# Altium PCB GN-1846-E-V2.PcbDoc (part 7 of 8)
Units mil, origin at the board's own origin, x right, y up, seen from the top; angles counter-clockwise.
Board outline 3750.16 x 2671.81 mil, 4 copper layers (TOP, GND, POWER, BOTTOM), stack 40.359 mil thick; 456 components, 457 nets, 2346 pads, 1495 vias.
Unrouted connection lines stored in the file: 4.
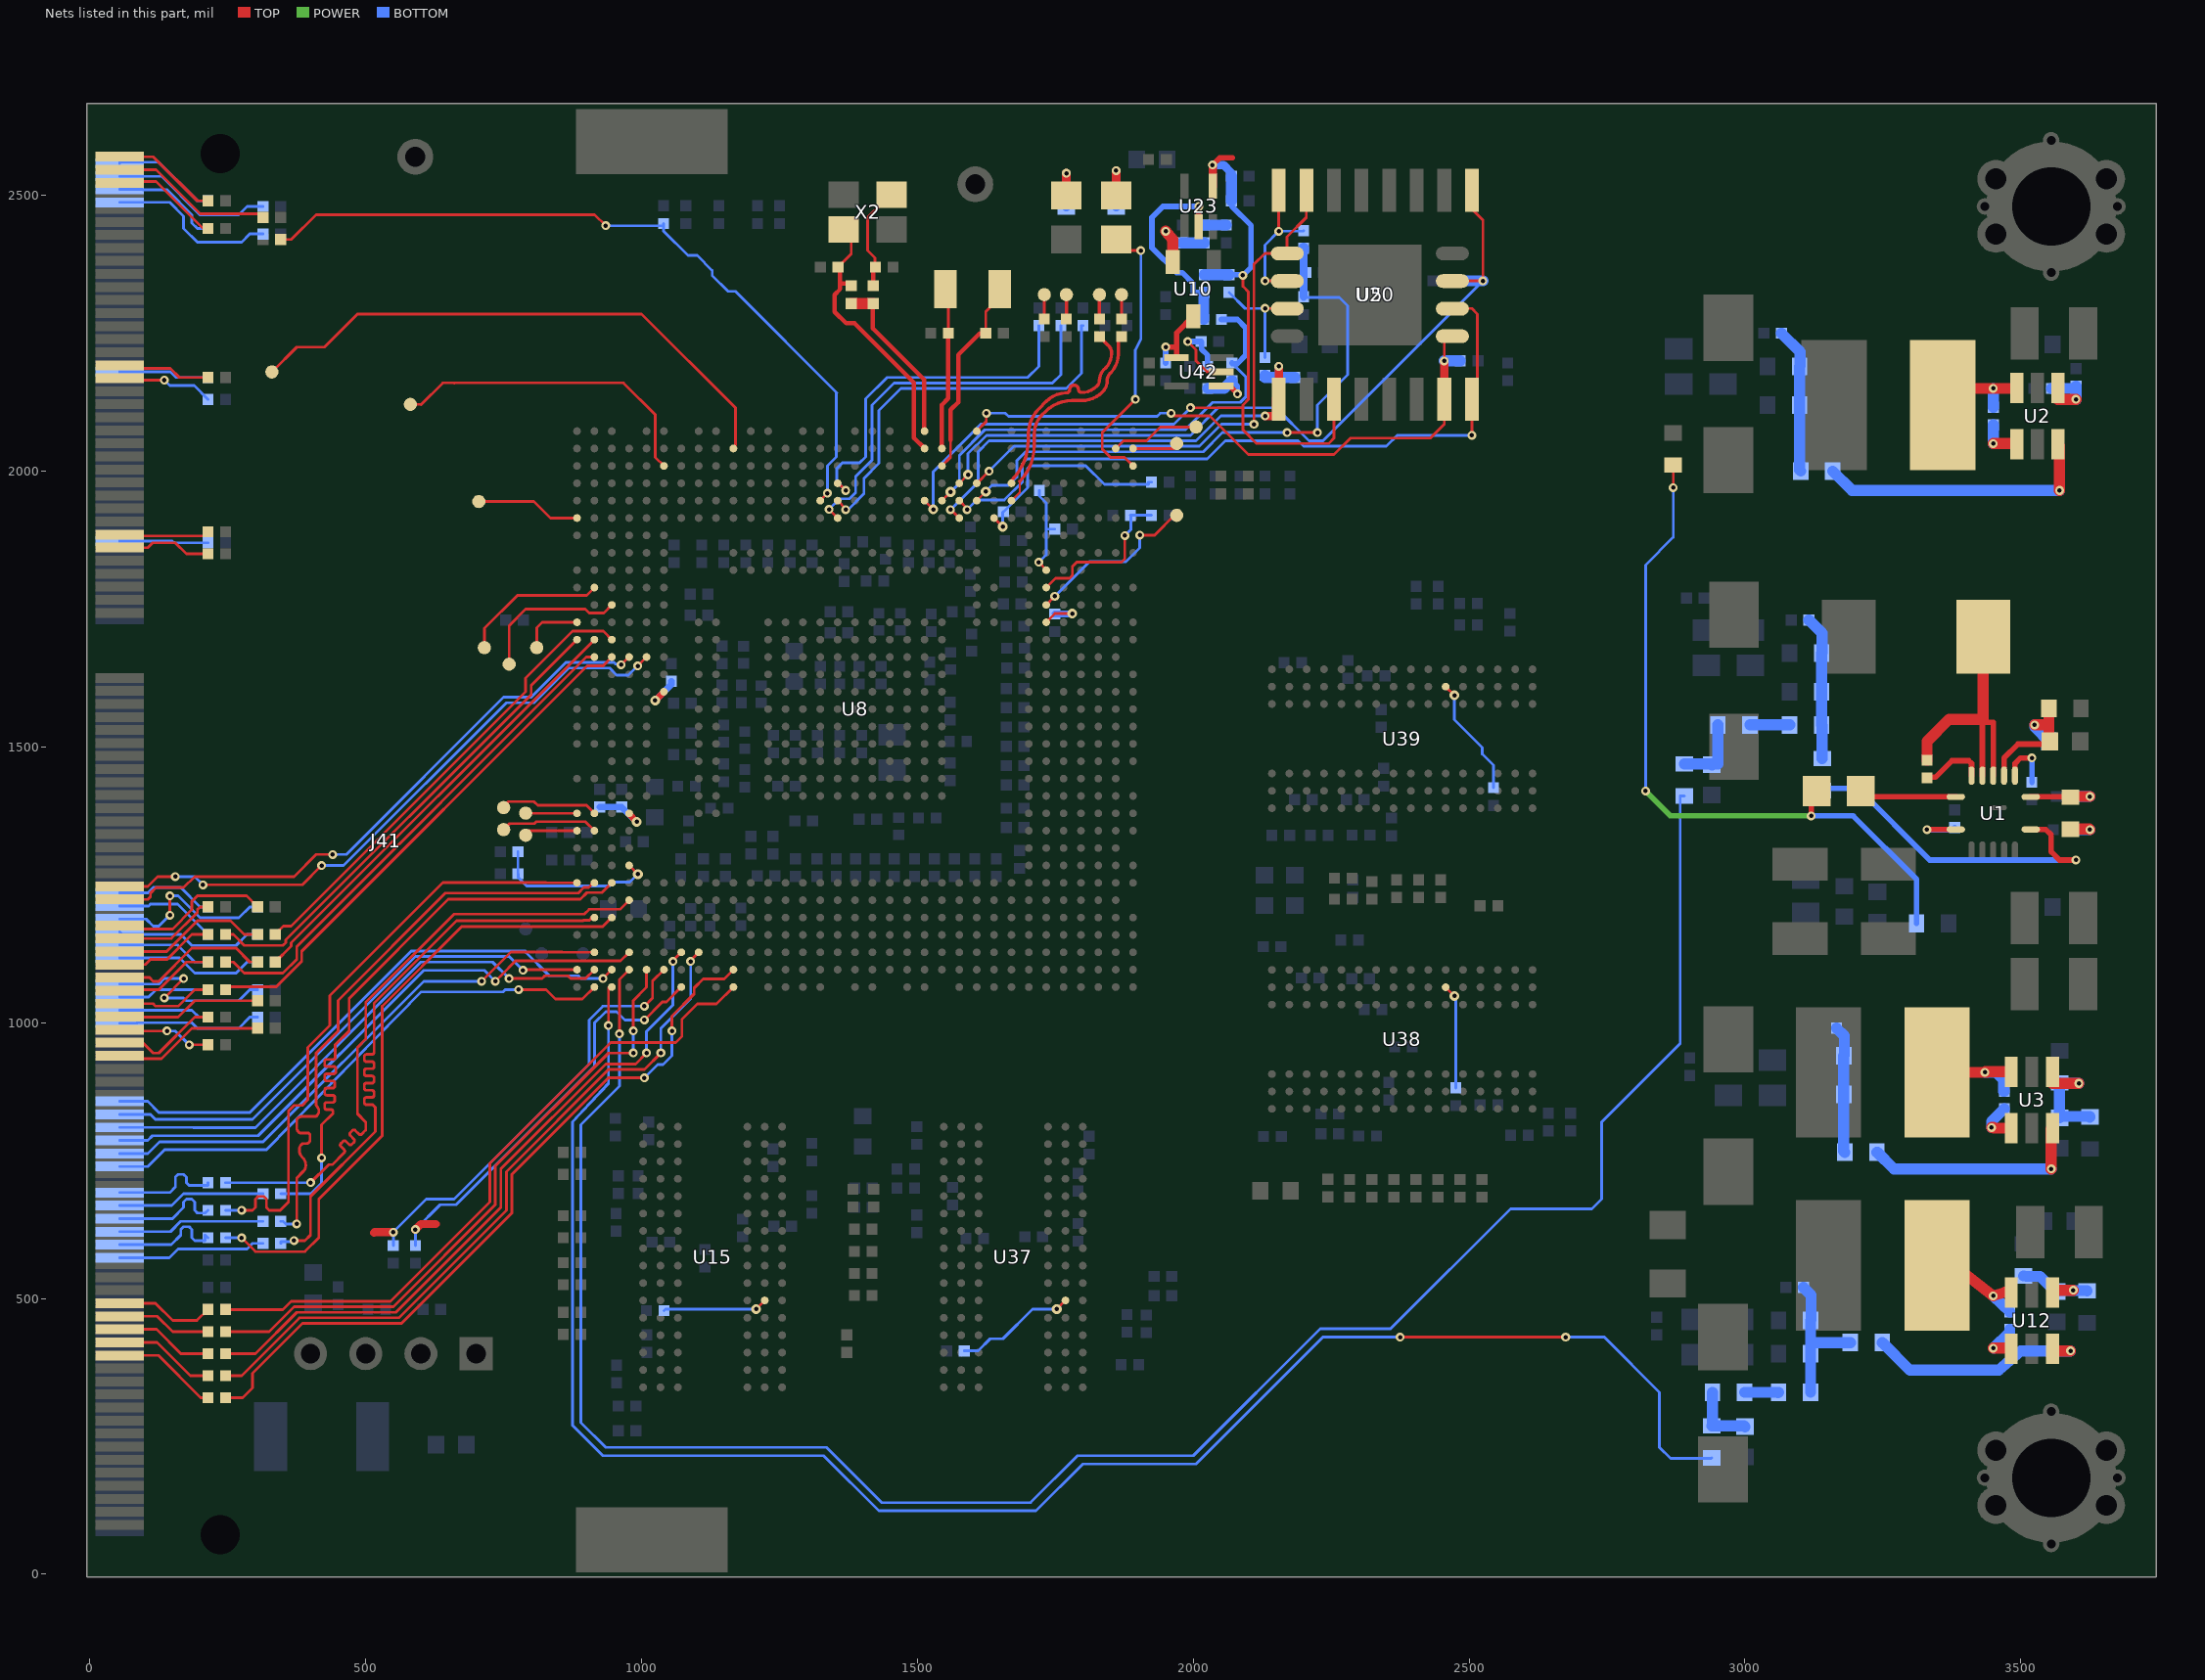
[diagram p9: the nets of this part, all layers, seen from the top]

## Via types
v1: diameter 18, hole 8, TOP to BOTTOM, 763 vias
v2: diameter 20, hole 10, TOP to BOTTOM, 451 vias
v3: diameter 16, hole 8, TOP to BOTTOM, 281 vias

## Nets (pads, with @x,y where several pads share a name; then routed paths per layer and width w, separated by ;. In a path a pad name is that pad's centre, name@x,y a point inside that pad or via, vN(x,y) a via of type N, cw(c..) or ccw(c..) an arc to the next point about the centre after c; other vN are vias at no path point) (continued)
NetC12_1: C12.1 R296.1 R695.2 | length 134.1
  BOTTOM w20: R296.1@2890,1469 C12.1@2938.5,1469 ; C12.1@2940,1467.5 C12.1@2938.5,1469 ; R695.2@2951,1540 2951,1469 C12.1@2938.5,1469
NetC17_2: C17.2 U8.AF30 | length 387.7
  TOP w6: U8.AF30@1670.41,1978 1670.41,1983 ccw(c1596.56,2056.85) 1701,2056.85 1701,2066.41 cw(c1767.6,2066.41) 1701.01,2067.71 cw(c1767.6,2066.41) 1720.51,2113.51 1733.12,2126.12 cw(c1771.46,2087.79) 1767.88,2141.88 1769.88,2141.88 ccw(c1769.88,2148) 1776,2148 cw(c1784,2148) 1792,2148 ccw(c1797.27,2148) 1797.27,2142.73 1803.46,2142.73 ccw(c1794.89,2185.67) 1825.85,2154.71 ccw(c1815.82,2164.73) 1830,2164.73 cw(c1857.2,2164.73) 1837.97,2183.97 1840.93,2186.93 ccw(c1814.2,2213.66) 1852,2213.66 ccw(c1831.86,2213.66) 1846.1,2227.9 C17.2@1830,2244
NetC18_2: C18.2 U8.AF29 | length 404.5
  TOP w4: U8.AF29@1670.41,1946.5 1685.45,1961.54 1685.45,1981.48
  TOP w6: 1685.46,1981.49 ccw(c1616.77,2047.23) 1711.85,2047.23 1711.88,2067.71 cw(c1760.98,2067.63) 1726.26,2102.35 1731.85,2107.94 cw(c1780.28,2059.5) 1780.28,2128 1797.87,2128 ccw(c1797.87,2181.29) 1835.55,2143.61 ccw(c1815.23,2163.93) 1843.97,2163.93 cw(c1863.63,2163.93) 1849.73,2177.83 1851.95,2180.05 ccw(c1816.69,2211.6) 1864,2211.6 1864,2238 C18.2@1870,2244
NetC27_1: C27.1 U3.1 | length 79.6
  TOP w20: v3(3447,810) 3450,810 3451.18,808.82 U3.1@3482.6,808.82
  BOTTOM w20: v3(3447,810) 3447,821 C27.1@3470,844
NetC27_2: C27.2 L1.1 U3.6 | length 201
  TOP w20: L1.1@3348.43,910 v3(3435,910) ; U3.6@3482.6,911.18 v3@3440,911.18 ; v3(3435,910) 3436.18,911.18 v3@3440,911.18 ; v3(3435,910) 3438.82,910 v3@3440,911.18
  BOTTOM w20: v3(3435,910) 3455,910 3469,896 3469,876 C27.2@3470,876
NetC28_1: C28.1 U2.1 | length 77.1
  TOP w20: v3(3450,2050) 3491.42,2050 U2.1@3492.6,2048.82
  BOTTOM w20: v3(3450,2050) C28.1@3450,2084
NetC28_2: C28.2 L3.1 U2.6 | length 181.1
  TOP w20: L3.1@3358.43,2120 3363.43,2125 3380,2125 3405,2150 v3(3450,2150) 3491.42,2150 U2.6@3492.6,2151.18
  BOTTOM w20: C28.2@3450,2116 v3(3450,2150)
NetC33_1: C33.1 U12.1 | length 79.9
  TOP w20: v3(3450,410) 3481.42,410 U12.1@3482.6,408.82
  BOTTOM w16: v3(3450,410) v3@3451.1,410.33
  BOTTOM w20: v3@3451.1,410.33 3480,439.23 C33.1@3480,444
NetC33_2: C33.2 L4.1 U12.6 | length 195.8
  TOP w20: L4.1@3348.43,560 3380,560 v3(3450,505) 3471.18,511.18 U12.6@3482.6,511.18
  BOTTOM w20: v3(3450,505) 3466,490 C33.2@3480,476
NetC35_1: C35.1 R13.2 R387.2 U12.4 | length 166.9
  TOP w20: U12.4@3557.4,511.18 3561.22,515 v3(3595,515)
  BOTTOM w20: R387.2@3505,541 3510,540 3534.96,540 3560,514.97 C35.1@3565,512.5 3574.01,514.49 3595,514.27 v3(3595,515) 3595.05,514.26 R13.2@3620,514
NetC78_1: C78.1 R230.2 R297.1 | length 122
  BOTTOM w20: R230.2@2941,330 2941,270 R297.1@2940,269 2998.5,269 C78.1@3000,267.5
NetC207_1: C207.1 R84.2 U8.AE28 | length 391.1
  TOP w5: U8.AE28@1638.92,1915.01 v1(1654.68,1899.25)
  BOTTOM w5: v1(1654.68,1899.25) 1654.68,1924.98 C207.1@1656,1926.3 1699.7,1970 1699.7,2005 1704.7,2010 1805,2010 1839,1976 1919,1976 1919,1980 R84.2@1924,1980
NetC233_1: C233.1 U1.13 | length 117.6
  TOP w10: C233.1@3330,1444 3331,1445 3345,1445 3375,1475 3405.63,1475 3410.63,1470 U1.13@3410.63,1447.91
NetC233_2: C233.2 L2.1 U1.11 U1.12 | length 526.7
  TOP w10: U1.12@3430.32,1447.91 3430.32,1544.85 ; 3431.83,1555 3430.32,1553.49 3430.32,1550 3430.32,1544.85 ; U1.11@3450,1447.91 3450,1544.85 3430.32,1544.85
  TOP w20: C233.2@3330,1476 3330,1510 3370,1550 3430.32,1550 3431.83,1550 3431.83,1555 L2.1@3431.83,1700
NetC275_1: C275.1 R11.2 R260.2 U3.4 | length 223.7
  TOP w20: U3.4@3557.4,911.18 3557.4,890 v3(3605,890)
  BOTTOM w20: C275.1@3570,827.5 C275.1@3570,830 ; v3(3605,890) 3571,890 R260.2@3570,891 C275.1@3570,830 ; R11.2@3625,829 3625,830 C275.1@3570,830
NetC276_1: C276.1 R386.1 R701.1 U1.10 | length 254.5
  TOP w10: U1.10@3469.68,1447.91 3469.68,1480 3494.68,1505 3545,1505 3550,1510 C276.1@3552.5,1510
  TOP w20: v3(3525,1540) 3551,1540 ; C276.1@3550,1510 3551,1511 3551,1540 ; R386.1@3551,1570 3551,1540
  BOTTOM w20: v3(3525,1540) 3525,1536 R701.1@3551,1510
NetC287_1: C287.1 R3.2 R24.1 R370.1 | length 265.3
  BOTTOM w20: C287.1@3066,2250 3100,2216 3100,2191 R370.1@3099,2190 R24.1@3099,2120 3099,2002.03 R3.2@3101,2000
NetC459_2: C459.2 R397.1 X2.3 | length 201.6
  TOP w5: C459.2@1423,2369 1423,2387 1410,2400 1410,2460 1437,2487 1437,2501.5 X2.3@1453.31,2501.5
  TOP w8: R397.1@1420,2336 1420,2367 1421,2367 1423,2369 C459.2@1424,2370
NetC481_1: C481.1 R258.1 R294.1 R310.2 R373.1 | length 261.8
  BOTTOM w20: C481.1@3116,1730 3140,1706 3140,1671 R258.1@3139,1670 R373.1@3139,1600 R294.1@3139,1540 3140,1539 R310.2@3140,1479
NetC482_1: C482.1 R257.1 R295.1 R311.2 R371.1 | length 268.2
  BOTTOM w20: C482.1@3106,520 3120,506 3120,461 R257.1@3119,460 3119,420 ; R295.1@3119,330 R371.1@3119,400 3119,420 ; R311.2@3191,420 3119,420
NetC485_2: C485.2 R12.2 R206.1 R403.2 | length 232
  BOTTOM w20: C485.2@3166,990 3180,976 3180,941 R12.2@3179,940 R206.1@3179,870 3179,767 R403.2@3181,765
NetC1247_1: C1247.1 R694.2 U42.2 | length 169
  TOP w5: v3(1990,2235) 2005,2220 2005,2200 2025,2180 U42.2@2050.5,2180
  BOTTOM w10: v3(1990,2235) C1247.1@2014,2235 2015,2234 2015,2221 2026,2210 R694.2@2026,2190
NetC1349_1: C1349.1 R700.2 | length 69.4
  TOP w20: R700.2@3590,1351 3624,1351 v3(3625,1350)
  BOTTOM w20: C1349.1@3591,1350 v3(3625,1350)
NetC1350_1: C1350.1 U1.9 | length 100.9
  TOP w10: U1.9@3489.37,1447.91 3489.37,1470 3499.37,1480 v3(3520,1480)
  BOTTOM w10: C1350.1@3520,1436 v3(3520,1480)
NetC1351_1: C1351.1 R700.1 U1.8 | length 137
  TOP w10: U1.8@3517.91,1409.53 3589.47,1409.53 R700.1@3590,1409
  TOP w20: R700.1@3589.47,1409.53 3589.94,1410 v3(3625,1410)
  BOTTOM w20: C1351.1@3596,1410 v3(3625,1410)
NetC1352_1: C1352.1 R261.2 U2.4 | length 123.4
  TOP w20: U2.4@3567.4,2151.18 3567.4,2130 v3(3600,2130)
  BOTTOM w20: R261.2@3556,2150 3596,2150 C1352.1@3600,2154 v3(3600,2130)
NetCORELED1_1: CORELED1.1 R35.2 R43.2 | length 1301.1
  TOP w5: v3(2870,1970) R35.2@2870,2011
  TOP w10: v3(3120,1375) 3120,1415 3125,1420 CORELED1.1@3130,1420
  POWER w10: v3(2820,1420) 2865,1375 v3(3120,1375)
  BOTTOM w5: v3(2820,1420) 2820,1830 2870,1880 v3(2870,1970)
  BOTTOM w10: v3(3120,1375) 3196,1375 3311,1260 R43.2@3311,1180
NetD15_1: D15.1 R26.2 | length 101
  TOP w16: D15.1@1770,2500 v3(1770,2540)
  BOTTOM w16: R26.2@1770,2479 v3(1770,2540)
NetJ41_1: J41.1 R119.2 | length 193.1
  TOP w5: J41.1@54,2570 115,2570 195,2490 R119.2@214,2490
NetJ41_2: J41.2 R60.2 | length 190.8
  BOTTOM w5: J41.2@54,2558.19 54,2560 125,2560 195,2490 R60.2@214,2490
NetJ41_3: J41.3 R128.2 | length 299.5
  TOP w5: J41.3@54,2546.38 120,2546.38 200,2466.38 314,2466.38 R128.2@314,2460
NetJ41_4: J41.4 R132.2 | length 295
  BOTTOM w5: J41.4@54,2534.57 130,2534.57 199.57,2465 270,2465 285,2480 R132.2@314,2480
NetJ41_5: J41.5 R129.2 | length 197.5
  TOP w5: J41.5@54,2522.76 54,2525 120,2525 205,2440 R129.2@214,2440
NetJ41_6: J41.6 R133.2 | length 198.2
  BOTTOM w5: J41.6@54,2510.94 95,2510.94 95.94,2510 140,2510 185,2465 185,2450 195,2440 R133.2@214,2440
NetJ41_8: J41.8 R134.2 | length 309.2
  BOTTOM w5: J41.8@54,2487.32 145,2487.32 170,2462.32 170,2440 195,2415 275,2415 290,2430 R134.2@314,2430
NetJ41_33: J41.33 R61.1 | length 172.6
  TOP w5: J41.33@54,2192.05 54,2186.08 146.08,2186.08 162.17,2170 R61.1@214,2170
NetJ41_34: J41.34 R63.1 | length 164.2
  BOTTOM w5: J41.34@54,2180.24 146.03,2180.24 156.26,2170 R63.1@214,2170
NetJ41_35: J41.35 R62.1 | length 177.9
  TOP w5: J41.35@54,2168.43 54,2165 v3(135,2165)
  BOTTOM w5: v3(135,2165) 145,2155 189,2155 R62.1@214,2130
NetJ41_59: J41.59 R55.1 | length 168.5
  TOP w5: J41.59@54,1884.96 95,1884.96 97.46,1882.5 214,1882.5 R55.1@214,1890
NetJ41_60: J41.60 R58.1 | length 161.3
  BOTTOM w5: J41.60@54,1873.15 149.57,1873.15 152.72,1870 R58.1@214,1870
NetJ41_61: J41.61 R57.1 | length 171.9
  TOP w5: J41.61@54,1861.34 105,1861.34 113.66,1870 155,1870 175,1850 R57.1@214,1850
NetJ41_106: J41.106 R114.2 | length 178.5
  BOTTOM w5: J41.106@54,1235.35 105.35,1235.35 115,1245 165,1245 200,1210 R114.2@214,1210
NetJ41_108: J41.108 R126.2 | length 184.1
  BOTTOM w5: J41.108@54,1211.73 106.73,1211.73 110,1215 159,1215 R126.2@214,1160
NetJ41_110: J41.110 R115.2 | length 323.6
  TOP w5: v3(145,1195) v3(145,1230)
  BOTTOM w5: J41.110@54,1188.11 101.89,1188.11 115,1175 125,1175 v3(145,1195) ; v3(145,1230) 160,1230 200,1190 270,1190 290,1210 R115.2@304,1210
NetJ41_111: J41.111 R120.2 | length 294.5
  TOP w5: J41.111@54,1176.3 60.3,1170 150,1170 185,1205 185,1220 195,1230 284,1230 R120.2@304,1210
NetJ41_112: J41.112 R116.2 | length 268.4
  BOTTOM w5: J41.112@54,1164.49 58.49,1160 165,1160 185,1140 265,1140 285,1160 R116.2@304,1160
NetJ41_113: J41.113 R121.2 | length 186.7
  TOP w5: J41.113@54,1152.68 147.68,1152.68 195,1200 195,1205 200,1210 R121.2@214,1210
NetJ41_114: J41.114 R111.2 | length 172.8
  BOTTOM w5: J41.114@54,1140.87 159.13,1140.87 190,1110 R111.2@214,1110
NetJ41_115: J41.115 R110.2 | length 283.5
  TOP w5: J41.115@54,1129.06 139.06,1129.06 195,1185 255,1185 280,1160 R110.2@304,1160
NetJ41_116: J41.116 R113.2 | length 269.6
  BOTTOM w5: J41.116@54,1117.24 162.76,1117.24 190,1090 265,1090 285,1110 R113.2@304,1110
NetJ41_117: J41.117 R104.2 | length 182.6
  TOP w5: J41.117@54,1105.43 100.43,1105.43 110,1115 140,1115 185,1160 R104.2@214,1160
NetJ41_119: J41.119 R112.2 | length 288
  TOP w5: J41.119@54,1081.81 108.19,1081.81 115,1075 125,1075 185,1135 265,1135 290,1110 R112.2@304,1110
NetJ41_120: J41.120 R123.2 | length 349
  TOP w5: v3(135,1045) v3(170,1080)
  BOTTOM w5: J41.120@54,1070 125,1070 135,1080 v3(170,1080) ; v3(135,1045) 170,1045 175,1040 270,1040 290,1060 R123.2@304,1060
NetJ41_121: J41.121 R109.2 | length 182.5
  TOP w5: J41.121@54,1058.19 54,1060 125,1060 175,1110 R109.2@214,1110
NetJ41_122: J41.122 R124.2 | length 165.6
  BOTTOM w5: J41.122@54,1046.38 106.38,1046.38 120,1060 R124.2@214,1060
NetJ41_123: J41.123 R108.2 | length 174.3
  TOP w5: J41.123@54,1034.57 114.86,1034.57 119.43,1030 160,1030 190,1060 R108.2@214,1060
NetJ41_124: J41.124 R125.2 | length 165.3
  BOTTOM w5: J41.124@54,1022.76 185,1022.76 197.76,1010 R125.2@214,1010
NetJ41_125: J41.125 R101.2 | length 262.8
  TOP w5: J41.125@54,1010.94 80,1010.94 80.94,1010 160,1010 190,1040 R101.2@304,1040
NetJ41_126: J41.126 R122.2 | length 262.8
  BOTTOM w5: J41.126@54,999.13 85,999.13 85.87,1000 185,1000 195,990 270,990 290,1010 R122.2@304,1010
NetJ41_127: J41.127 R100.2 | length 172.7
  TOP w5: J41.127@54,987.32 54,985 v3(140,985) ; v3(180,960) R100.2@214,960
  BOTTOM w5: v3(140,985) 155,985 v3(180,960)
NetJ41_129: J41.129 R103.2 | length 194.7
  TOP w5: J41.129@54,963.7 96.3,963.7 115,945 125,945 190,1010 R103.2@214,1010
NetJ41_131: J41.131 R102.2 | length 274.9
  TOP w5: J41.131@54,940.08 59.08,935 130,935 185,990 R102.2@304,990
NetJ41_169: J41.169 R10.2 | length 181.2
  TOP w5: J41.169@54,491.26 118.74,491.26 150,460 194,460 R10.2@214,480
NetJ41_171: J41.171 R9.2 | length 171.4
  TOP w5: J41.171@54,467.64 122.36,467.64 150,440 R9.2@214,440
NetJ41_173: J41.173 R6.2 | length 178.2
  TOP w5: J41.173@54,444.02 120.98,444.02 165,400 R6.2@214,400
NetJ41_175: J41.175 R5.2 | length 185
  TOP w5: J41.175@54,420.39 121.61,420.39 182,360 R5.2@214,360
NetJ41_177: J41.177 R4.2 | length 191.8
  TOP w5: J41.177@54,396.77 124.23,396.77 201,320 R4.2@214,320
NetR3_1: R3.1 U2.3 | length 510.4
  TOP w20: U2.3@3567.4,2048.82 3570,2046.22 v3(3570,1965)
  BOTTOM w20: R3.1@3159,2000 3194,1965 v3(3570,1965)
NetR4_1: R4.1 U8.K2 | length 1347.1
  TOP w5: R4.1@246,320 277,320 295,338 295,364.5 385.5,455 565,455 765,655 765,725 940,900 v3(1005,900) ; v3(1055,985) 1055,1012 1095.37,1052.37 1095.37,1063 1112,1079.63 1150,1079.63 U8.K2@1166.48,1096.11
  BOTTOM w5: v3(1005,900) 1029,924 1039,924 1055.23,940.23 1055.23,953.77 1055,954 v3(1055,985)
NetR5_1: R5.1 U8.H3 | length 1283.3
  TOP w5: R5.1@246,360 275,360 380,465 560,465 755,660 755,730 940,915 1005,915 v3(1035,945) ; v3(1089,1111) 1089,1113.12 U8.H3@1103.49,1127.61
  BOTTOM w5: v3(1035,945) 1035,990 1089,1044.01 v3(1089,1111)
NetR6_1: R6.1 U8.G3 | length 1238.5
  TOP w5: R6.1@246,400 300,400 375,475 555,475 745,665 745,735 935,925 989,925 v3(1009,945) ; v3(1057,1111) 1057,1112.62 U8.G3@1071.99,1127.61
  BOTTOM w5: v3(1009,945) 1009,984 1057,1032 v3(1057,1111)
NetR9_1: R9.1 U8.E2 | length 1150.2
  TOP w5: R9.1@246,440 325,440 370,485 550,485 735,670 735,740 940,945 v3(985,945) ; v3(985,985) 985,1040 1009,1064 U8.E2@1009,1096.11
  BOTTOM w5: v3(985,945) v3(985,985)
NetR10_1: R10.1 U8.K1 | length 1221.8
  TOP w5: R10.1@246,480 350,480 365,495 545,495 725,675 725,745 944,964 1062,964 1073,975 1073,1006 1101,1034 1135.87,1034 U8.K1@1166.48,1064.61
NetR29_1: R29.1 R56.1 U5.7 | length 206.6
  TOP w5: v3(2130,2295) 2170,2295 U5.7@2170.39,2294.61
  BOTTOM w5: R56.1@2065,2324 2094,2295 v3(2130,2295) R29.1@2130,2206
NetR30_2: R30.2 RUN1.1 | length 111
  TOP w16: RUN1.1@1860,2500 v3(1860,2545)
  BOTTOM w16: R30.2@1860,2479 v3(1860,2545)
NetR104_1: R104.1 U8.A21 | length 887.6
  TOP w5: R104.1@246,1160 260,1160 280,1140 350,1140 355,1145 355,1150 800,1595 800,1611.52 U8.A21@883.01,1694.53
NetR108_1: R108.1 U8.C20 | length 960.5
  TOP w5: R108.1@246,1060 251,1065 337.73,1065 384,1111.27 384,1129.51 901.78,1647.29 930.26,1647.29 U8.C20@946.01,1663.04
NetR109_1: R109.1 U8.B20 | length 927.7
  TOP w5: R109.1@246,1110 260,1110 280,1090 350,1090 375,1115 375,1138.04 900,1663.04 U8.B20@914.51,1663.04
NetR110_1: R110.1 U8.C21 | length 858.9
  TOP w5: R110.1@336,1160 351,1175 365,1175 790,1600 790,1625 875,1710 930.54,1710 U8.C21@946.01,1694.53
NetR112_1: R112.1 U8.B21 | length 824.2
  TOP w5: R112.1@336,1110 365,1139 365,1145 895,1675 ; 895,1675.02 U8.B21@914.51,1694.53
NetR168_2: R168.2 U15.L8 | length 190.1
  TOP w5: v1(1207.57,480.73) U15.L8@1223.31,496.48
  BOTTOM w5: R168.2@1040.83,477.98 1043.58,480.73 v1(1207.57,480.73)
NetR169_2: R169.2 U37.L8 | length 221.2
  TOP w5: v1(1752.57,480.73) U37.L8@1768.31,496.48
  BOTTOM w5: R169.2@1585,405 1610,405 1632,427 1655,427 1708.73,480.73 v1(1752.57,480.73)
NetR170_2: R170.2 U39.L8 | length 219.1
  TOP w5: U39.L8@2457.52,1609.31 v1(2473.27,1593.57)
  BOTTOM w5: v1(2473.27,1593.57) 2473.27,1549.73 2523.95,1499.05 2523.95,1487.05 2544,1467 R170.2@2544,1426
NetR199_2: R199.2 U38.L8 | length 190.1
  TOP w5: U38.L8@2457.52,1064.31 v1(2473.27,1048.57)
  BOTTOM w5: v1(2473.27,1048.57) 2476.02,1045.82 R199.2@2476.02,881.83
NetR230_1: R230.1 R295.2 | length 62.8
  BOTTOM w20: R230.1@2999,330 3059,330 3060,329 R295.2@3061,330
NetR294_2: R294.2 R695.1 | length 72
  BOTTOM w20: R695.1@3009,1540 R294.2@3081,1540
NetR310_1: R310.1 U1.7 | length 640.8
  TOP w10: U1.7@3517.91,1350.47 3545,1350.47 3555,1340.47 3555,1310 3570,1295 v3(3600,1295)
  BOTTOM w10: R310.1@3140,1421 3140,1425 3205,1425 3335,1295 v3(3600,1295)
NetR311_1: R311.1 U12.3 | length 410.3
  TOP w20: U12.3@3557.4,408.82 3558.58,405 v3(3590,405)
  BOTTOM w20: R311.1@3249,420 3299,370 3460,370 3500,405 v3(3590,405)
NetR334_1: R334.1 R335.1 U10.2 | length 139
  TOP w20: v3(1950,2435) 1962.6,2420 U10.2@1962.6,2379.24
  BOTTOM w10: v3(1950,2435) 1971,2414 R335.1@1980,2414
  BOTTOM w20: R335.1@1980,2414 R334.1@2020,2414
NetR403_1: R403.1 U3.3 | length 403.2
  TOP w20: v3(3555,735) 3555,806.42 U3.3@3557.4,808.82
  BOTTOM w20: R403.1@3239,765 3240,765 3270,735 v3(3555,735)
NetR687_2: R687.2 U10.3 U42.4 | length 136.8
  TOP w10: v3(1950,2225) 1970,2225 ; U42.4@1969.5,2205.59 1970,2206.09 1970,2225 ; U10.3@2000,2280.76 1970,2250.76 1970,2225
  BOTTOM w10: R687.2@1950,2196 v3(1950,2225)
NetR702_1: R702.1 U1.1 | length 106.3
  TOP w10: v3(3330,1350) 3330.47,1350.47 U1.1@3382.09,1350.47
  BOTTOM w10: v3(3330,1350) 3380,1350 R702.1@3380,1354
NetTP1_1: TP1.1 U8.AH23 | length 317.4
  TOP w5: U8.AH23@1733.41,1757.53 1748.88,1773 v3(1749,1773) ; v3(1903,1884) 1930,1884 1966,1920 TP1.1@1970,1920
  BOTTOM w5: v3(1749,1773) 1812,1836 1878,1836 1903,1861 v3(1903,1884)
NetTP2_1: TP2.1 U8.C23 | length 277.4
  TOP w5: TP2.1@760,1650 760,1720 790,1750 898,1750 905,1743 931.48,1743 U8.C23@946.01,1757.53
NetTP3_1: TP3.1 U8.A22 | length 113.2
  TOP w5: TP3.1@810,1680 810,1716.03 820,1726.03 U8.A22@883.01,1726.03
NetTP6_1: TP6.1 U8.A10 | length 101.1
  TOP w5: TP6.1@790,1340 790,1348.08 U8.A10@883.01,1348.08
NetTP7_1: TP7.1 U8.B10 | length 177.4
  TOP w5: TP7.1@750,1350 761,1361 805.41,1361 809,1364.59 898,1364.59 U8.B10@914.51,1348.08
NetTP8_1: TP8.1 U8.B11 | length 181.9
  TOP w5: TP8.1@750,1390 748,1390 759,1401 805,1401 812,1394 900.08,1394 U8.B11@914.51,1379.57
NetTP9_1: TP9.1 U8.A11 | length 93.2
  TOP w5: TP9.1@790,1380 790.43,1379.57 U8.A11@883.01,1379.57
NetTP10_1: TP10.1 U8.AN32 | length 85.2
  TOP w5: U8.AN32@1890.89,2040.99 1965,2040.99 1970,2045.99 TP10.1@1970,2050
NetTP11_1: TP11.1 U8.AM32 | length 161.8
  TOP w5: U8.AM32@1859.39,2040.99 1873.4,2055 1915,2055 1940,2080 TP11.1@2005,2080
NetTP15_1: TP15.1 U8.B24 | length 265.2
  TOP w5: TP15.1@715,1680 715,1715 775,1775 900.49,1775 U8.B24@914.51,1789.02
NetTP16_1: TP16.1 U8.A28 | length 190.4
  TOP w5: TP16.1@705,1945 805.01,1945 835,1915.01 U8.A28@883.01,1915.01
NetTP17_1: TP17.1 U8.F31 | length 584.4
  TOP w5: TP17.1@580.96,2121.01 599.46,2121.01 600,2120.47 600.47,2120.47 640,2160 660.95,2160 ; 660.56,2159.61 660.95,2160 ; U8.F31@1040.49,2009.49 1025,2024.98 1025,2102.41 967.41,2160 660.95,2160
NetTP18_1: TP18.1 U8.K32 | length 1029.4
  TOP w5: TP18.1@330,2180 375,2225 425,2225 485,2285 1000,2285 1170,2115 1170,2047 1166.48,2043.48 U8.K32@1166.48,2040.99
POR_ENABLE: R244.2 R321.1 U8.AH24 | length 295.5
  TOP w5: U8.AH24@1733.41,1789.02 1750.39,1806 1776,1806 1781,1811 1781,1827 1789,1835 1870,1835 1876,1841 v3(1876,1883)
  BOTTOM w5: v3(1876,1883) 1887,1894 1887,1919 R321.1@1886,1920 R244.2@1924,1920
PWM_SVB0_CPU: R297.2 U8.C1 | length 3235
  TOP w5: v3(940,995) 940,1063.6 U8.C1@946.01,1064.61 ; v3(2375,430) v3(2675,430)
  BOTTOM w5: v3(940,995) 940,890 875,820 875,270 930,215 1330,215 1430,115 1715,115 1800,200 2005,200 2235,430 v3(2375,430) ; v3(2675,430) 2745,430 2845,330 2845,230 2865,210 2939,210 R297.2@2940,211
PWM_SVB1_CORE: R296.2 U8.D2 | length 3792.8
  TOP w5: v3(960,980) 960,1078.61 U8.D2@977.5,1096.11
  BOTTOM w5: v3(960,980) 960,885 890,815 890,275 935,230 1335,230 1435,130 1705,130 1790,215 2000,215 2230.03,445.03 2357.53,445.03 2575,662.5 2722.5,662.5 2740,680 2740,820 2882.46,962.46 2882.46,1411 R296.2@2890,1411
PWRGD: CORELED1.2 U1.14 | length 179.6
  TOP w10: CORELED1.2@3210,1420 3215,1415 3215,1409.53 U1.14@3382.09,1409.53
RGMII_RXCK: J41.146 U8.B3 | length 1011.9
  TOP w5: v3(710,1075) 763,1128 856,1128 856.39,1127.61 U8.B3@914.51,1127.61
  BOTTOM w5: J41.146@54,762.91 105,762.91 126.04,783.96 313.96,783.96 605,1075 v3(710,1075)
RGMII_RXD0: J41.138 U8.C2 | length 1050.2
  TOP w5: v3(930,1080) 930,1080.1 U8.C2@946.01,1096.11
  BOTTOM w5: J41.138@54,857.4 105,857.4 125,837.4 290,837.4 582.6,1130 790,1130 790,1127.84 832.84,1085 885,1085 890,1080 v3(930,1080)